# KiCad board 11-10084__speedy_processing_module__B.kicad_pcb (continued)
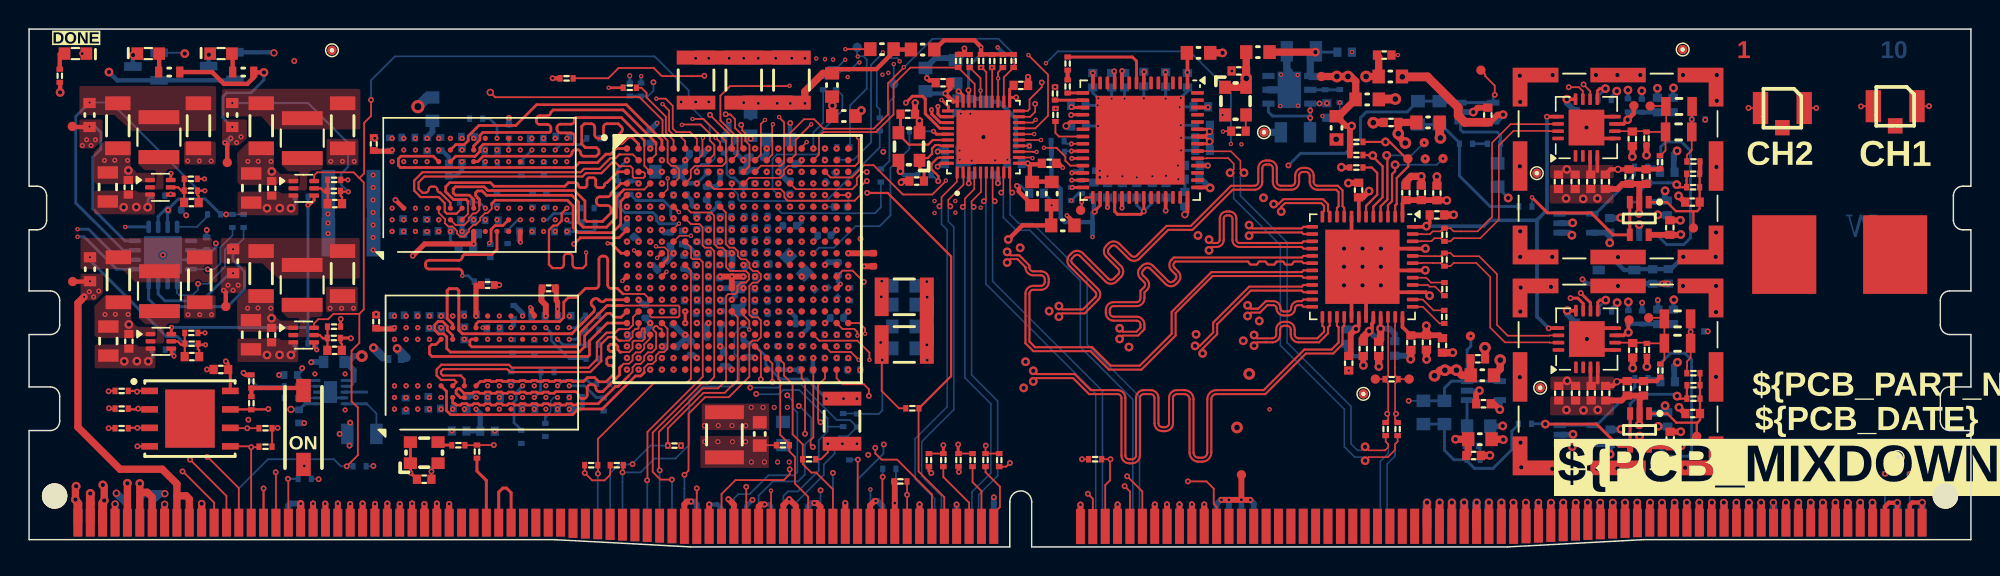
[diagram p0: board, top side]
## Routing (per net, layer and track width the routed paths; a pad name or vN(x,y) marks a point on that pad's centre or on a via; arc(x,y) is an arc through that point) (continued)
/TOP_LEVEL_IO/ZYNQ_PWR/+1v8_Sense: length 16.8
  L1 w0.15: v4(12.11,13.89) 12.1,13.9 11.59,13.9 11.59,13.61 11.68,13.52 C219.2
  L5 w0.2: v4(4.18,19.92) 4.52,19.92 v2(6.6,21.99)
  L10 w0.2: v4(12.11,13.89) 10.75,13.89 10.18,14.46 9.42,14.46 4.18,19.7 v4(4.18,19.92) ; U24.13 6.61,22 v2(6.6,21.99)
/TOP_LEVEL_IO/ZYNQ_PWR/+3v3_Sense: length 33.9
  L1 w0.15: v4(21.92,24.41) 21.91,24.42 21.4,24.42 21.4,24.13 21.49,24.04 C223.2
  L5 w0.2: v4(13.95,30.52) 12.4,30.52 6.77,24.89 5.25,24.89 3.33,22.97 v2(3.33,21.84)
  L10 w0.15: v4(21.92,24.41) 21.43,24.9 21.43,25.67 21.9,26.13 21.9,27.77 19.16,30.52 v4(13.95,30.52)
  L10 w0.2: U24.10 6.18,19.74 4.08,21.84 v2(3.33,21.84)
/TOP_LEVEL_IO/ZYNQ_PWR/VCCPLL: length 16.5
  L7 w0.2: v3(55.16,30.33) 54.53,30.33 54.12,29.93 51.66,29.93 51.66,29.93 51.35,29.93 51.35,29.93 48.76,29.93 48.46,29.63 48.46,28.97 47.88,28.38 47.88,27.42 47.06,26.6 47.06,24.7 47.5,24.26 47.5,23.17 46.92,22.59 v2(46.66,22.59)
  L10 w0.25: 47.33,23.49 46.66,22.82 v2(46.66,22.59)
GND: length 442.9
  L1 w0.12: J2.2 v1(122.73,30.17) ; J1.1 125.82,30.3 v1(125.8,30.28) ; U27.2 27.63,5.3 v1(27.63,5.19) C86.1 ; JEDEC1.72 63.7,2.91 v1(63.69,2.92) ; J2.1 118.09,30.17 v1(118.08,30.18) ; 5.51,9.51 v1(5.48,9.53) ; C6.1 94.1,33.81 ; v6(54.85,7.09) 54.85,6.5 54.38,6.03 R172.2 ; R174.2 v1(72.31,6.03) ; R60.2 R64.2 17.04,8.16 v1(17.06,8.19) ; C242.1 v2(56.05,34.22) ; v1(63.85,5.16) 63.83,5.19 R122.2 ; IC1.E19 v2(56.26,24.19) ; 130,3.05 v8(130.01,3.05) ; J1.2 v1(130.48,30.3) ; R173.2 50.2,6.99 ; C85.1 v1(12.21,12.2)
  L1 w0.15: R77.1 v4(12.08,14.71) ; R81.1 v4(21.89,25.23) ; R58.2 5.51,9.51 ; U15.4 v1(7.44,6.92) ; R91.1 v4(12.04,25.3) ; R66.1 v1(5.46,8.16)
  L1 w0.2: v1(21.4,15.66) 21.39,15.65 R87.1 ; JEDEC1.132 119.8,3.03 v8(119.78,3.05)
  L1 w0.25: 93.32,17.51 U9.39 95.91,17.51 95.99,17.42 96.03,17.42 v3(96.18,17.27) ; U3.5 107.7,28.08 ; 41.05,18.59 v2(40.74,18.28) ; 92.82,20.51 U9.45 95.89,20.51 v3(95.89,20.51) ; v3(95.88,19.02) 95.87,19.01 U9.42 91.82,19.01 U9.31 ; U3.8 107.7,29.58 ; U9.29 90.82,18.51 ; U11.J8 v2(31.15,15.07) ; U9.8 90.82,20.01 ; U7.5 107.73,13.54 ; U7.8 107.73,15.04
  L1 w0.3: R32.1 90.14,26.08 v3(90.12,26.1) ; v8(130.01,3.05) 129.33,3.05 129.15,2.87 JEDEC1.143 ; v2(71.27,22.79) 71.79,22.27 ; C126.1 62.1,32.08 61.81,32.08 v1(61.66,32.23) ; v2(33.75,20.94) 33.73,20.96 U18.M1 ; R113.1 63.8,33.85 ; JEDEC1.142 v8(128.3,3.04) 127.71,3.04 127.45,2.77 JEDEC1.141 ; v2(70.99,26.07) 70.68,26.37 C245.1 ; 25.72,23.29 v1(25.16,23.85) ; v1(67.84,24.82) 67.97,24.7 67.97,24.44 68.88,23.53 ; v1(64.23,34.27) 64.23,33.9 63.84,33.9 R114.1 ; JEDEC1.144 130,3.05 ; 36.43,32.22 v1(35.95,32.22)
  L1 w0.4: 109.71,10.4 109.37,10.07 C37.2 ; C252.1 59.98,25.15 v9(59.89,25.06) ; JEDEC1.4 5.9,2.95 v8(5.91,2.95) ; v1(53.93,3.02) 54.09,3.02 54.35,2.76 JEDEC1.61 ; v1(80.7,2.92) 80.7,2.68 80.71,2.68 80.7,2.67 JEDEC1.86 ; v3(113.43,7.92) C30.1 ; C18.2 109.07,24.61 109.43,24.96 C3.1 C5.1 110.58,24.96 U1.2 110.58,22.96 v3(110.55,22.93) ; 35.18,17.78 35.18,16.93 35.48,16.63 35.48,15.89 35.49,15.89 ; v1(78.14,2.92) 78.15,2.91 JEDEC1.83 ; C175.1 v2(57.35,19.29) ; v2(47.46,18.59) v2(49.06,18.59) ; v1(79.85,2.92) 79.85,2.92 JEDEC1.85 ; JEDEC1.54 48.4,2.9 48.3,3 48.3,3.01 v1(48.03,3.28) ; v1(45.47,3.12) 45.19,3.12 45,2.93 JEDEC1.50 ; v3(113.4,22.46) C14.1 ; v1(58.14,3.15) 58.06,3.15 57.75,2.85 JEDEC1.65 ; C50.1 90.62,25.03 v3(90.6,25.01) ; v1(50.51,2.92) 50.25,2.92 50.1,2.77 JEDEC1.56 ; C4.1 v3(110.1,26.83) ; v3(99.18,29.89) 99.48,30.19 C208.1 ; v3(110.58,8.39) 110.6,8.42 U5.2 110.6,10.14 C24.1 C22.1 ; R170.2 59.45,4.44 v1(59.45,3.02) JEDEC1.67 ; v3(113.28,24.13) 113.71,23.71 ; C46.1 91.62,12.49 v3(91.63,12.48) ; v1(74.75,2.92) 74.75,2.92 JEDEC1.79 ; JEDEC1.52 46.7,2.91 v1(46.71,2.92) ; v3(113.3,9.6) 113.73,9.17 ; JEDEC1.8 9.3,2.92 v8(9.31,2.93) ; JEDEC1.84 79,2.92 v1(79,2.92) ; JEDEC1.63 v1(56.05,3.02) ; v9(60.85,30.53) 60.84,30.52 60.84,29.93 ; JEDEC1.69 v1(61.15,2.92) ; JEDEC1.59 52.65,2.82 v1(52.2,3.27) 51.8,2.87 JEDEC1.58 ; C233.1 68.61,32.31 ; v1(77.31,2.92) 77.3,2.91 JEDEC1.82 ; C23.1 v3(110.13,12.29) ; v1(72.2,2.91) 72.2,2.9 JEDEC1.76 ; C209.1 99.38,10.52 v3(99.6,10.74) ; R2.1 v3(111.08,26.93) ; R14.1 v3(111.1,12.39) ; IC1.N10 v2(48.26,18.59)
  L1 w0.406: JEDEC1.27 v1(25.45,2.96) ; JEDEC1.29 v1(27.15,2.96) ; JEDEC1.31 v1(28.85,2.96) ; JEDEC1.23 v1(22.05,2.96) ; JEDEC1.24 22.9,2.98 v1(22.9,2.98) ; v1(21.2,2.98) 21.2,2.98 JEDEC1.22 ; JEDEC1.21 20.35,2.96 v1(20.33,2.98) ; JEDEC1.30 28,2.98 v1(28,2.98) ; JEDEC1.20 19.5,2.98 v1(19.5,2.98) ; JEDEC1.28 26.3,2.98 v1(26.3,2.98) ; v1(24.6,2.98) 24.6,2.98 JEDEC1.26 ; JEDEC1.25 v1(23.75,2.96)
  L1 w0.5: JEDEC1.130 118.1,3.05 v8(118.11,3.05) ; C40.1 97.76,13.35 v3(97.77,13.36) ; JEDEC1.131 118.95,3.05 v8(118.94,3.05) ; v8(113.84,3.05) 113.85,3.04 JEDEC1.125 ; JEDEC1.11 v8(11.85,2.98) ; JEDEC1.114 104.5,3.04 v8(104.52,3.05) ; v9(59.83,25.82) 59.84,25.83 59.84,26.73 ; JEDEC1.135 122.35,3.05 v8(122.35,3.05) ; JEDEC1.129 117.25,3.04 v8(117.24,3.05) ; JEDEC1.115 105.35,3.05 v8(105.35,3.05) ; C12.1 92.33,29.18 v5(92.31,29.16) ; v3(94.87,12.9) 94.89,12.92 C47.1 ; C27.1 100.31,6.28 v3(100.32,6.29) ; JEDEC1.140 126.6,3.04 v8(126.59,3.05) ; JEDEC1.121 110.45,3.04 v8(110.43,3.05) ; v8(109.6,3.05) 109.6,3.05 JEDEC1.120 ; JEDEC1.118 107.9,3.05 v8(107.89,3.05) ; C31.1 99.99,13.68 v5(99.98,13.69) ; JEDEC1.137 124.05,3.05 v8(124.05,3.05) ; v9(61.14,29.29) 61.14,28.43 ; JEDEC1.117 107.05,3.03 v8(107.03,3.05) ; v8(102.79,3.05) 102.8,3.04 JEDEC1.112 ; C51.1 92.68,12.41 v3(92.69,12.4) ; v8(108.76,3.05) 108.75,3.05 JEDEC1.119 ; JEDEC1.19 v1(18.65,2.98) ; v8(112.14,3.05) 112.15,3.04 JEDEC1.123 ; JEDEC1.136 123.2,3.04 v8(123.19,3.05) ; JEDEC1.134 121.5,3.04 v8(121.51,3.05) ; JEDEC1.124 v8(113,3.05) ; JEDEC1.139 v8(125.75,3.05) ; JEDEC1.126 114.7,3.05 v8(114.7,3.05) ; JEDEC1.128 116.4,3.03 v8(116.38,3.05) ; v8(111.32,3.05) 111.3,3.03 JEDEC1.122 ; C44.1 v3(95.61,25.47) 94.9,25.47 94.55,25.12 C48.1 ; v8(124.89,3.05) 124.9,3.04 JEDEC1.138 ; C42.1 95.96,12.9 v3(95.97,12.89) ; JEDEC1.116 106.2,3.04 v8(106.22,3.05) ; v8(120.65,3.05) 120.65,1.67 ; JEDEC1.110 101.1,3.04 v8(101.11,3.05) ; C45.1 97.82,22.82 v3(97.83,22.83) ; JEDEC1.113 103.65,3.05 v8(103.65,3.05) ; JEDEC1.127 115.55,3.04 v8(115.57,3.05) ; C43.1 v3(96.68,25.46) ; JEDEC1.111 101.95,3.03 v8(101.93,3.05)
  L1 w0.95: C189.1 C196.1
  L1 w0.96: C202.1 C201.1
  L10 w0.12: v1(10.79,22.79) 10.79,22.83 C253.1 ; 77.14,25.4 77.14,25.41 v2(77.14,25.48) ; 9.3,2.92 v8(9.31,2.93) ; 56.26,23.43 v2(56.26,24.19) ; v2(74.34,30.82) 74.29,30.87 74.34,30.92 ; 19.5,2.98 v1(19.5,2.98) ; 5.9,2.95 v8(5.91,2.95) ; C57.1 89.61,29.5 90.01,29.9 v2(90.01,30.54) ; 79.22,27.26 79.19,27.24 79.14,27.24 v2(79.12,27.26) ; v6(55.85,7.09) 56.12,7.09 R171.2 56.54,7.09 v6(56.85,7.09) ; R169.2 59.53,3.1 v1(59.45,3.02) ; 79.01,30.26 v2(79.01,30.23) ; 12.19,21.77 v1(12.2,21.79) ; 78.89,26.22 v2(78.89,26.22) ; C266.1 18.89,8.52 v1(18.89,8.52) ; v2(78.91,25.28) 78.99,25.28 78.99,25.28
  L10 w0.2: U24.6 9.51,19.74 U24.3 ; C68.1 78.89,26.22 ; v1(67.84,24.82) 68.09,24.82 68.6,24.31 ; C76.1 73.05,31.22 v2(73.43,30.84) ; R41.1 72.06,24.3 R44.1 ; 74.34,30.92 C72.1 ; C71.1 v2(76.55,30.84) ; C79.1 79.22,27.26 ; 77.14,25.4 C213.1 ; C78.1 v2(79.12,28.12) ; C70.1 79.55,31.32 v2(79.09,30.87) ; U26.4 21.1,10.24 U26.11 U26.8 ; 37.03,21.68 38.71,21.68 38.88,21.85 R73.2 ; C67.1 78.99,25.28 ; C75.1 v2(78.05,30.82) ; C81.1 v2(74.06,25.48) ; C254.1 12.19,21.77 ; 100.85,24.72 v3(101.58,23.99) ; R70.1 40.43,25.96 v2(41.06,26.59) ; C80.1 v2(79.09,28.99) ; 73.16,25.04 v1(73.53,25.41) ; C211.1 v2(75.08,25.48) ; C77.1 v2(75.23,30.82) ; C69.1 79.01,30.26 ; v2(88.82,29.62) 88.94,29.5 ; C66.1 79.37,25.27 ; R40.1 v2(73.53,25.86) ; R165.2 42.03,32.34 ; C212.1 v2(78.07,25.51) ; v2(73.4,28.94) C74.2 ; C215.1 v2(73.38,30.36)
  L10 w0.3: C29.1 112.93,16.97 v3(112.95,16.99) ; C174.1 53.53,15.06 v2(53.06,14.59) ; R117.1 60.09,25.56 v9(59.83,25.82) ; 48.65,26.99 v2(49.06,26.59) ; v1(64.23,34.27) 64.23,33.89 63.81,33.47 ; JEDEC1.199 49.25,2.8 v1(49.68,3.23) ; 33.63,21.7 33.63,21.06 v2(33.75,20.94) ; 47.5,14.44 47.5,15.28 ; v1(61.66,32.23) 61.66,32.83 ; C26.1 v1(111.85,16.97) ; C140.1 52.25,29.05 52.27,29.06 v1(52.27,29.14) ; 55.93,15.86 v2(56.26,16.19) ; 110.3,19.1 C83.1 112.76,19.1 v3(113.6,19.94) ; C7.1 112.9,31.53 v3(112.93,31.56) ; 109.06,19.92 109.06,19.51 109.54,19.04 U14.2 ; 55.09,21.42 v2(55.46,21.79) ; JEDEC1.52 46.7,2.91 v1(46.71,2.92) 47.27,2.92 47.55,2.64 JEDEC1.197 ; JEDEC1.11 v8(11.85,2.98) ; U20.2 v3(99.6,10.74) ; v2(53.06,22.59) 53.06,22.35 52.88,22.17 52.68,22.17 ; C95.1 28.83,26.79 28.43,27.19 28.25,27.19 ; C190.1 51.43,12.38 51.62,12.19 v2(52.26,12.19) 52.27,12.17 52.92,12.17 C186.1 ; 63.77,29.78 v2(64.64,29.78) ; C88.1 45.1,20.61 45.35,20.61 45.8,20.17 ; v2(66.52,34.35) 66.52,34.32 66.87,33.97 R112.1 ; v2(45.86,23.39) 45.6,23.39 45.5,23.49 45.5,23.84 C156.1 ; 45.07,20.67 44.93,20.82 ; Q4.2 14.1,32.08 Q3.2 6.05,32.08 v3(5.48,32.65) ; C235.1 65.73,28.37 v3(65.54,28.17) ; C109.1 37.82,9.47 38,9.65 R99.2 ; R18.1 v1(110.78,16.79) ; 45.68,18.57 45.2,19.04 44.98,19.04 ; C52.1 90.44,13.54 90.88,13.11 C41.1 ; v1(50.51,2.92) 50.83,2.92 50.83,2.92 50.95,2.8 JEDEC1.201 ; R6.1 v3(110.75,31.36) ; C10.1 v3(111.83,31.53)
  L10 w0.35: 33.35,16.6 33.89,16.05 v2(33.89,15.87) ; v4(29.73,21.69) 29.73,22.37 C116.1 ; C162.1 47.17,24.77 47.46,25.05 47.46,25.75
  L10 w0.4: v3(106.95,28.83) 106.83,28.96 C8.1 ; C142.1 44.08,20.69 44.08,20.44 44.26,20.26 v2(44.26,20.19) 44.26,20.15 43.8,19.69 ; 42.05,14.56 42.05,14.56 42.66,15.16 v2(42.66,15.39) 42.32,15.72 ; JEDEC1.219 66.25,2.92 66.25,2.92 v1(66.25,3.41) ; 44.24,15.3 44.96,14.59 v2(45.06,14.59) ; v3(106.98,14.29) 106.85,14.42 C25.1 ; JEDEC1.83 78.15,2.91 v1(78.14,2.92) ; C11.1 109.28,22.61 v3(109.3,22.63) ; v1(58.14,3.15) 58.28,3.15 58.6,2.83 JEDEC1.210 ; R72.1 v1(32.95,29.49) ; v2(45.06,14.59) 45.44,14.21 45.44,14.14 ; v2(45.06,14.59) 45.06,14.31 44.51,13.77 ; v3(101.2,8.32) 101.18,8.29 C210.1 ; v1(79,2.92) 79,2.92 JEDEC1.84 ; C32.1 109.3,8.07 v3(109.33,8.09) ; JEDEC1.86 80.7,2.92 v1(80.7,2.92) ; C262.1 47.7,13.54 v2(47.46,13.79) 47.46,14.44 ; v1(19.38,12.69) 19.4,12.72 20.13,12.72 ; v1(45.47,3.12) 45.65,3.12 45.85,2.92 JEDEC1.195 ; v2(46.66,27.39) 46.31,27.04 C165.1 ; U19.2 v3(99.18,29.89) ; C194.1 54.84,19.57 v2(54.66,19.39) ; 112.98,11.27 R22.1 112.98,12.46 v3(113.2,12.69) ; U4.2 105.98,22.26 v3(106,22.28) ; JEDEC1.79 74.75,2.92 v1(74.75,2.92) ; JEDEC1.72 63.7,2.91 v1(63.69,2.92) ; C216.1 v2(76.07,25.41) ; JEDEC1.82 77.3,2.91 v1(77.31,2.92) ; C153.1 49.45,25.89 49.26,26.08 ; C39.1 v3(92.69,12.4) ; 22.05,7.77 v1(21.33,7.77) ; 22.05,7.77 22.05,7.02 v1(22,6.97) ; 22.05,7.77 v1(22.05,8.54) ; JEDEC1.76 72.2,2.9 v1(72.2,2.91) ; C41.1 v3(91.63,12.48) ; v1(53.93,3.02) 53.73,3.02 53.5,2.79 53.5,2.64 JEDEC1.204 ; v3(94.87,12.9) 94.63,13.14 C53.1 ; v2(64.73,26.55) 64.54,26.36 C248.1 v2(63.9,26.63) 63.9,27.25 ; v3(113.18,27.23) 112.95,27 R10.1 112.95,25.81 ; 49.26,26.08 49.26,26.56 49.23,26.59 v2(49.06,26.59) 49.26,26.79 C166.1 ; 49.26,26.08 49.26,25.76 ; 48.3,19.29 48.3,20.14 v2(48.26,20.19) ; C122.1 62.23,33.6 63.49,33.6 ; C232.1 66.96,26.58 C247.1 ; 42.67,28.68 v2(43.12,29.13) ; v2(41.86,20.99) 41.86,21.09 41.57,21.37 ; v3(90.6,25.01) 90.62,25.03 C50.1 ; C13.1 111.88,22.81 v3(111.85,22.83) ; JEDEC1.63 v1(56.05,3.02) ; U2.2 v3(110.58,22.16) ; U6.2 v3(110.6,7.62) ; C147.1 52.07,25.17 v2(51.46,25.79) 51.68,26.01 C160.1 ; v2(49.86,12.99) 49.8,13.04 C263.1 ; 48.68,16.32 49.06,16.7 v2(49.06,16.99) ; JEDEC1.69 v1(61.15,2.92) ; 43,25.67 43.34,25.67 v2(43.46,25.79) ; JEDEC1.85 79.85,2.92 v1(79.85,2.92) ; v3(111.88,8.29) 111.9,8.27 C33.1 ; U8.2 106,7.72 v3(106.03,7.74) ; v2(67.18,26.63) 67.18,26.37
  L10 w0.406: v1(21.2,2.98) 21.2,2.98 JEDEC1.22 ; v1(24.6,2.98) 24.6,2.98 JEDEC1.26 ; v1(26.3,2.98) 26.3,2.98 JEDEC1.28 ; JEDEC1.20 19.5,2.98 ; v1(22.05,2.96) JEDEC1.23 ; v1(27.15,2.96) JEDEC1.29 ; JEDEC1.19 v1(18.65,2.98) 17.93,2.98 17.8,2.85 JEDEC1.162 ; JEDEC1.24 22.9,2.98 v1(22.9,2.98) ; JEDEC1.30 28,2.98 v1(28,2.98) ; v1(23.75,2.96) JEDEC1.25 ; 20.33,1.67 v1(20.33,2.98) ; v1(25.45,2.96) JEDEC1.27 ; v1(28.85,2.96) JEDEC1.31
  L10 w0.5: JEDEC1.121 110.45,3.04 v8(110.43,3.05) ; JEDEC1.149 6.75,2.93 v8(5.99,3.69) 6.27,3.41 ; JEDEC1.116 106.2,3.01 106.22,3.03 ; JEDEC1.131 118.95,3.02 118.94,3.03 ; v8(103.65,3.05) 103.65,3.01 103.65,3.01 JEDEC1.113 ; JEDEC1.129 117.25,2.99 117.24,3 v8(117.24,3.05) ; 107.03,3.03 107.03,3.03 107.05,3.01 JEDEC1.117 ; JEDEC1.4 5.9,2.95 ; JEDEC1.132 119.8,3.03 v8(119.78,3.05) ; v8(101.93,3.05) 101.95,3.03 JEDEC1.111 ; v8(122.35,3.05) 122.35,3.03 122.35,3.02 JEDEC1.135 ; v8(120.65,3.05) 120.65,3 120.65,3 JEDEC1.133 ; v8(111.32,3.05) 111.3,3.03 JEDEC1.122 ; U10.2 U10.7 86.55,32.66 86.37,32.83 C59.1 ; TP28.1 C55.1 ; 8.96,3.66 v8(9.32,3.66) ; 8.96,3.66 7.87,3.66 7.6,3.39 JEDEC1.150 ; 8.96,3.66 8.45,3.15 JEDEC1.151 ; JEDEC1.127 115.55,3.02 115.57,3.03 v8(115.57,3.05) ; JEDEC1.137 124.05,3 124.05,3 v8(124.05,3.05) ; v8(108.76,3.05) 108.75,3.05 JEDEC1.119 ; JEDEC1.112 102.8,3.04 v8(102.79,3.05) ; JEDEC1.125 113.85,3.02 113.84,3.03 v8(113.84,3.05) ; JEDEC1.123 112.15,3.04 v8(112.14,3.05) ; 124.89,3.03 124.9,3.02 JEDEC1.138 ; JEDEC1.115 105.35,3.03 105.35,3.04 v8(105.35,3.05) ; v8(104.52,3.05) 104.5,3.04 JEDEC1.114 ; JEDEC1.134 121.5,3.04 v8(121.51,3.05) ; v8(118.11,3.05) 118.1,3.05 JEDEC1.130 ; v8(113,3.05) JEDEC1.124 ; v8(130.01,3.05) 130,3.05 JEDEC1.144 ; v2(48.26,20.19) 48.24,20.17 47.58,20.17 ; v8(123.19,3.05) 123.2,3.04 JEDEC1.136 ; JEDEC1.140 126.6,3.02 126.59,3.03 ; v8(114.7,3.05) 114.7,3.05 JEDEC1.126 ; JEDEC1.142 v8(128.3,3.04) ; JEDEC1.120 109.6,3.03 109.6,3.04 v8(109.6,3.05) ; JEDEC1.139 125.75,3 125.75,3 125.75,3.03 ; 116.38,1.66 v8(116.38,3.05) ; 107.89,3.03 107.89,3.01 107.9,3.01 JEDEC1.118 ; JEDEC1.8 9.3,2.92
  L10 w0.6: 25.9,13.02 v3(25.28,13.64) ; 101.11,1.37 v8(101.11,3.05)
  L10 w0.7: C158.1 27.33,30.89 v10(26.7,30.27)
  L10 w0.9: C146.1 C152.1
  vias: v1(3.64,33.92) v1(9.19,20.07) v1(17.17,11.82) v1(18.21,33.4) v1(18.89,5.57) v1(32.29,18.01) v1(57.08,12.15) v1(61.65,18.24) v1(61.68,17.17) v1(61.65,13.89) v1(61.68,12.84) v1(68.6,32.32) v1(70.45,31.63) v1(82.6,32.72) v2(31.33,27.29) v2(31.33,22.49) v2(31.49,10.27) v2(33.73,28.09) v2(33.89,9.47) v2(35.33,21.69) v2(35.49,15.87) v2(35.49,9.47) v2(36.93,28.09) v2(36.93,21.69) v2(37.09,15.87) v2(37.09,9.47) v2(41.86,12.99) v2(42.03,32.37) v2(42.66,23.39) v2(43.46,17.79) v2(44.26,12.19) v2(45.86,21.79) v2(45.86,20.19) v2(45.86,18.59) v2(45.86,16.99) v2(45.86,15.39) v2(46.66,20.99) v2(46.66,19.39) v2(46.66,17.79) v2(46.66,16.19) v2(47.46,25.79) v2(47.46,21.79) v2(47.46,16.99) v2(48.26,24.19) v2(48.26,23.39) v2(48.26,22.59) v2(48.26,20.99) v2(49.06,21.79) v2(49.06,20.19) v2(49.86,22.59) v2(49.86,20.99) v2(49.86,19.39) v2(49.86,17.79) v2(49.86,16.19) v2(50.66,21.79) v2(50.66,20.19) v2(50.66,18.59) v2(50.66,16.99) v2(50.66,15.39) v2(51.46,17.79) v2(52.26,20.19) v2(53.86,24.99) v2(53.86,16.99) v2(54.66,27.39) v2(54.66,24.99) v2(55.46,13.79) v2(56.26,18.59) v2(62.18,23.78) v2(62.18,22.95) v2(63.61,23.78) v2(63.61,22.98) v2(63.89,27.25) v2(63.98,29.78) v2(65.35,23.32) v2(66.34,26.58) v2(71.57,23.81) v2(81.96,29.7) v2(85.92,30.31) v2(85.97,32.47) v2(87.12,32.44) v2(87.14,30.33) v2(90.62,12.12) v2(90.85,34.02) v2(94,33.81) v3(6.81,25.88) v3(6.85,15.29) v3(16.66,25.81) v3(16.65,15.72) v3(57.15,30) v3(68.06,20.56) v3(68.3,10.93) v3(68.43,12.73) v3(70.05,16.21) v3(75.53,13.74) v3(80.14,14.61) v3(80.27,21.41) v3(83.38,14.17) v3(84.48,15.53) v3(84.77,24) v3(90.3,20.51) v3(90.3,19.26) v3(90.3,17.98) v3(91.57,20.51) v3(91.57,19.26) v3(91.57,17.98) v3(92.83,20.51) v3(92.83,19.26) v3(92.83,17.98) v3(102.38,32.39) v3(102.4,30.59) v3(102.38,26.17) v3(102.4,21.69) v3(102.4,19.94) v3(102.43,17.83) v3(102.41,16.18) v3(102.38,11.67) v3(102.43,7.17) v3(102.48,5.47) v3(104.51,17.88) v3(104.63,32.44) v3(104.6,19.94) v3(104.6,5.37) v3(105.55,23.96) v3(105.58,9.42) v3(106.73,23.93) v3(106.75,9.39) v3(107.6,32.44) v3(107.7,23.96) v3(107.73,9.42) v3(107.68,5.39) v3(109.08,32.44) v3(109.11,19.92) v3(109.11,17.94) v3(109.08,5.39) v3(110.58,5.44) v3(110.65,32.44) v3(113.58,32.44) v3(113.58,17.94) v3(113.73,5.44) v3(115.83,19.94) v3(115.83,7.19) v3(115.83,5.44) v3(115.9,32.44) v3(115.9,30.67) v3(115.88,26.12) v3(115.85,21.62) v3(115.85,17.94) v3(115.85,16.14) v3(115.85,11.69) v4(5.17,26.57) v4(5.21,15.98) v4(5.88,26.58) v4(5.92,15.99) v4(6.76,26.57) v4(6.8,15.98) v4(10.89,26.53) v4(10.92,15.97) v4(11.69,26.53) v4(11.72,15.97) v4(12.5,26.53) v4(12.53,15.97) v4(15.02,26.5) v4(15.01,16.41) v4(15.73,26.51) v4(15.72,16.42) v4(16.61,26.5) v4(16.6,16.41) v4(19.63,11.89) v4(20.53,22.89) v4(20.53,22.27) v4(20.53,21.54) v4(20.72,26.51) v4(20.67,16.41) v4(21.52,26.51) v4(21.47,16.41) v4(21.7,11.89) v4(21.7,9.42) v4(22.33,26.51) v4(22.28,16.41) v4(24.93,28.09) v4(25.09,15.87) v4(25.73,28.09) v4(25.73,21.69) v4(25.89,15.87) v4(25.89,11.07) v4(25.89,9.47) v4(27.33,27.29) v4(27.33,21.69) v4(27.49,15.07) v4(27.49,9.47) v4(28.13,27.29) v4(28.13,22.49) v4(28.13,21.69) v4(28.29,15.07) v4(28.29,10.27) v4(28.29,9.47) v4(28.93,28.09) v4(29.03,7.97) v4(29.09,15.87) v4(29.73,28.09) v4(29.73,27.29) v4(29.89,15.87) v4(29.89,15.07) v4(29.89,9.47) v4(35.33,28.09) v5(82.95,8.21) v5(83.79,11.89) v6(45.78,33.59) v6(46.4,7.23) v6(46.68,33.59) v6(47.3,7.23) v6(48.08,33.59) v6(48.3,7.23) v6(49.08,33.59) v6(49.2,7.23) v6(49.6,5.83) v6(50.08,33.59) v6(50.5,5.83) v6(51.28,33.59) v6(51.4,5.83) v6(52.2,5.83) v6(52.38,33.59) v6(53.28,33.59) v7(23.73,28.1) v7(23.83,15.99)
+VPGA: length 22.1
  L1 w0.25: U7.3 107.23,11.12 ; U3.4 107.7,25.83 ; U3.3 107.2,25.66 ; U7.4 107.73,11.29
  L1 w0.3: 109.09,25.96 C3.2 C5.2 111.96,25.96 R1.2 ; 109.09,25.96 v8(109.12,25.96) ; 109.09,25.96 108.6,25.96 C18.1 ; C37.1 108.75,11.07 v8(109.04,11.36) 109.08,11.4 C22.2 C24.2 111.76,11.4 R13.2
  L1 w0.5: L4.2 101.03,12.23 v5(101.03,12.84)
  L1 w0.6: L2.2 96.87,28.17 v5(96.92,28.12)
  L7 w0.5: v5(101.03,12.84) 101.03,16.32 ; v5(96.92,28.12) 97.33,28.12 98.93,26.52
  L10 w0.3: 109.8,30.96 109.8,31.56 ; R17.2 v3(109.83,16.84)
  vias: v3(105.6,25.96) v3(105.63,11.42) v3(109.8,31.41)
/TOP_LEVEL_IO/ADC/ADC_PD: length 4.5
  L1 w0.15: U9.6 91.82,23.45 92.58,24.21 92.58,25.71 92.21,26.08 R32.2
/TOP_LEVEL_IO/ADC/ADC_SCLK: length 55.4
  L1 w0.15: v3(93.23,26.92) 93.28,26.87 93.28,23.88 92.82,23.42 U9.4
  L3 w0.15: v3(93.23,26.92) 93.1,26.92 92.53,27.49 91.46,27.49 91.11,27.13 83.8,27.13 v2(83.26,27.68)
  L7 w0.12: v2(83.26,27.68) 81.83,26.26 81.83,22.48 81.48,22.12 57.37,22.12 54.87,24.62 52.51,24.62 52.15,24.99 v2(51.46,24.99)
  L10 w0.12: v1(95.8,27.79) 94.93,26.92 v3(93.23,26.92)
/TOP_LEVEL_IO/ADC/ADC_SDATA: length 69.8
  L1 w0.12: IC1.B15 52.64,26.97 52.64,27.99 v2(53.71,29.05)
  L1 w0.15: v3(93.81,26.27) 93.81,25.83 93.6,25.62 93.6,23.77 93.32,23.49 U9.3
  L3 w0.12: v3(93.81,26.27) 93.81,24.84 92.65,23.68 88.53,23.68 87.31,24.9 82.07,24.9 81.53,25.44 80.43,25.44 80.21,25.66 80.21,31.1 79.88,31.43 72.36,31.43 71.43,32.35 69.43,32.35 68.92,31.85 62.48,31.85 62.16,31.53 59.82,31.53 57.33,29.04 56.13,29.04 54.99,27.9 54.99,26.05 54.99,26.05 54.32,25.38 54.32,24.98 53.98,24.64 52.91,24.64 52.72,24.83 52.72,25.13 52.92,25.32 53.19,25.32 53.39,25.52 53.39,26.73 53.06,27.06 53.06,28.4 v2(53.71,29.05)
  L10 w0.12: v3(93.81,26.27) 96.67,26.27 v1(97.1,26.7)
/TOP_LEVEL_IO/ADC/ADC_~{CSn}: length 69
  L1 w0.15: R25.2 v3(93.15,27.84) 93.44,27.84 94.71,26.57 94.71,26.15 93.92,25.36 93.92,23.57 93.82,23.47 U9.2
  L7 w0.12: v2(49.86,24.19) 50.21,24.54 50.21,25.2 50.46,25.45 50.91,25.45 51.12,25.67 51.12,25.93 51.32,26.12 55.59,26.12 55.98,25.74 55.98,25 57.47,23.5 60.09,23.5 61.21,24.62 63.08,24.62 63.84,25.38 69.53,25.38 70.11,25.96 70.11,26.96 70.4,27.25 70.4,29.11 70.96,29.67 70.96,33.21 72.63,34.88 92.32,34.88 93.15,34.05 v3(93.15,27.84)
/TOP_LEVEL_IO/ADC/ADC_~{RSTn}: length 66.3
  L1 w0.12: IC1.A9 47.46,27.81 v2(47.15,28.12) ; 95.87,26.77 95.9,26.74
  L1 w0.15: 91.99,26.94 92.24,26.94 v3(92.27,26.9) ; 91.99,26.94 92.17,26.94 92.95,26.17 92.95,24.04 92.32,23.41 U9.5 ; 91.99,26.94 R26.2
  L3 w0.12: v2(69.83,33.25) 69.46,33.25 69.26,33.05 66.77,33.05 66.47,33.36 64.38,33.36 64,32.98 61.25,32.98 60.64,32.36 59.46,32.36 59.04,31.94 57.71,31.94 57.35,32.3 v2(56.21,32.3)
  L3 w0.15: v3(92.27,26.9) 91.41,26.9 91.23,26.73 83.51,26.73 v2(82.53,27.7)
  L5 w0.15: v1(95.88,26.7) 95.87,26.71 95.23,26.71 94.13,25.61 92.73,25.61 92.28,26.06 92.28,26.9 v3(92.27,26.9)
  L7 w0.12: v2(47.15,28.12) 47.15,30.24 49.19,32.28 56.19,32.28 v2(56.21,32.3)
  L10 w0.12: v2(82.53,27.7) 82.53,31.24 79.7,34.07 70.65,34.07 v2(69.83,33.25)
/TOP_LEVEL_IO/ADC/CLK+: length 8.8
  L1 w0.107: U9.35 93.82,15.21 93.8,15.19 93.8,12.31 93.8,12.31 93.8,11.8 94.02,11.58 ; 94.02,11.44 93.81,11.23 93.81,9.22 v1(93.87,9.15) 93.81,9.09 93.81,8.78 93.98,8.6 ; TP34.1 94.03,11.54
  L10 w0.107: 93.98,8.6 93.81,8.78 93.81,9.09 v1(93.87,9.15)
/TOP_LEVEL_IO/ADC/CLK-: length 8.7
  L1 w0.107: 93.12,11.45 93.33,11.24 93.33,9.22 v1(93.27,9.15) 93.33,9.09 93.33,8.78 93.16,8.6 ; TP33.1 93.11,11.54 ; 93.12,11.58 93.34,11.8 93.34,12.13 93.33,12.14 93.33,15.19 93.32,15.21 U9.34
  L10 w0.107: v1(93.27,9.15) 93.33,9.09 93.33,8.78 93.16,8.6
/TOP_LEVEL_IO/ADC/IN1+: length 16.2
  L1 w0.107: 97.15,21.91 96.94,21.69 96.39,21.69 96.19,21.49 95.63,21.49 95.62,21.51 U9.47 ; R27.2 97.61,21.91 97.83,21.69 99.48,21.69 100.47,22.69 100.47,27.79 101.74,29.06 104.38,29.06 104.4,29.08 U3.14
/TOP_LEVEL_IO/ADC/IN1-: length 16.3
  L1 w0.107: U9.46 95.62,21.01 95.63,21.02 96.31,21.02 96.51,21.22 96.94,21.22 97.15,21.01 ; U3.15 104.4,28.58 104.38,28.6 101.93,28.6 100.93,27.6 100.93,22.5 99.65,21.22 97.83,21.22 97.61,21.01 R27.1
/TOP_LEVEL_IO/ADC/IN2+: length 14.5
  L1 w0.107: 97.15,20.2 96.93,19.98 96.57,19.98 96.57,19.99 95.63,19.99 95.62,20.01 U9.44 ; R28.2 97.61,20.2 97.83,19.98 99.58,19.98 100.8,18.76 100.8,15.27 101.55,14.52 104.41,14.52 104.43,14.54 U7.14
/TOP_LEVEL_IO/ADC/IN2-: length 14.5
  L1 w0.107: U7.15 104.43,14.04 104.41,14.06 101.35,14.06 100.34,15.08 100.34,18.57 99.38,19.52 97.83,19.52 97.61,19.3 R28.1 ; U9.43 95.62,19.51 95.63,19.53 96.39,19.53 96.4,19.52 96.93,19.52 97.15,19.3
/TOP_LEVEL_IO/ADC/IN3+: length 2.3
  L1 w0.107: U9.41 95.95,18.51 96.28,18.17 R29.2
/TOP_LEVEL_IO/ADC/IN3-: length 2.5
  L1 w0.107: 97.18,17.27 96.56,17.9 96.17,17.9 96.05,18.01 U9.40
/TOP_LEVEL_IO/ADC/IN4+: length 2.5
  L1 w0.107: U9.38 95.71,17.01 96.45,16.26 R30.2
/TOP_LEVEL_IO/ADC/IN4-: length 2.6
  L1 w0.107: U9.37 95.72,16.51 96.86,15.36 R30.1
/TOP_LEVEL_IO/ADC_CLK_EXT+: length 5.4
  L10 w0.107: 93.26,2.51 93.26,5.69 93.8,6.24 93.8,7.06 93.98,7.24 R134.1
/TOP_LEVEL_IO/ADC_CLK_EXT-: length 5.4
  L10 w0.107: 92.79,2.51 92.79,5.88 93.34,6.43 93.34,7.06 93.16,7.24 R135.1
/TOP_LEVEL_IO/CH1_IN: length 27.6
  L1 w0.114: R15.1 113.85,12.43 113.86,12.45 113.86,12.76 114.1,13 C20.2 v1(114.1,14.79) C21.2
  L5 w0.102: v1(114.1,14.79) 114.81,15.5 116.61,15.5 117.34,16.24 117.34,22.74 122.65,28.05 127.25,28.05 v1(128.15,28.95)
/TOP_LEVEL_IO/CH2_IN: length 10.8
  L1 w0.114: 114.18,30.26 v1(114.18,29.39) C1.2 114.18,27.27 113.85,26.94 113.85,26.55
  L5 w0.102: v1(114.18,29.39) 114.76,29.98 116.86,29.98 118.03,28.81 v1(120.4,28.81)
/TOP_LEVEL_IO/CHOPPER_INPUT: length 23.8
  L7 w0.12: v1(52.06,10.42) 52.06,11.79 51.83,12.02 51.83,18.83 52.66,19.65 52.66,20.58 53.06,20.98 v2(53.06,20.99)
  L10 w0.12: JEDEC1.198 48.4,3.32 48.71,3.63 49.48,3.63 50.77,4.92 52.54,4.92 52.76,5.14 52.76,9.25 52.43,9.57 52.43,10.05 v1(52.06,10.42)
/TOP_LEVEL_IO/DC_OUT_CH1: length 57.8
  L1 w0.12: v1(100.65,31.08) 100.65,31.71 100,32.36 100,32.47 TP19.1
  L7 w0.12: v2(54.66,24.19) 57.19,21.65 77.26,21.65 79.3,19.62 82.42,19.62 82.98,20.17 82.98,23.68 85.53,26.23 v1(86.48,26.23)
  L10 w0.2: 96.95,30.54 U19.3 U19.4 100.55,30.98 v1(100.65,31.08) ; v1(86.48,26.23) 87.31,27.06 90.39,27.06 91.43,28.1 91.43,29.5 91.83,29.9 94.63,29.9 C203.1 C204.1
/TOP_LEVEL_IO/DC_OUT_CH2: length 56.7
  L1 w0.12: v1(57.32,18.22) 56.55,18.99 55.86,18.99 IC1.M19 ; TP20.1 v1(99,14.49)
  L5 w0.12: v2(85.19,9.46) 92.4,9.46 93.01,10.06 94.72,10.06 v1(94.74,10.04)
  L7 w0.12: v2(85.19,9.46) 83.36,9.46 82.16,10.65 82.16,14.87 79.27,17.76 57.78,17.76 v1(57.32,18.22)
  L10 w0.12: v1(94.74,10.04) C207.1
  L10 w0.2: U20.3 97.68,11.39 97.2,10.92 C205.1 C207.1 ; U20.3 U20.4 ; U20.3 98.75,13.54 99,13.8 v1(99,14.49)
/TOP_LEVEL_IO/DONE: length 88.1
  L1 w0.12: IC1.R11 49.06,15.94 49.46,15.53 49.46,14.95 v2(49.45,14.94) ; v1(40.75,5.12) 40.81,5.18 40.81,5.75
  L1 w0.3: v3(2.13,31.25) 2.13,31.92 R52.2
  L7 w0.3: v1(40.75,5.12) 39.54,3.92 17.27,3.92 16.76,3.41 15.29,3.41 14.32,4.38 9.85,4.38 8.4,5.82 4.41,5.82 2.97,7.27 2.97,19.62 2.13,20.45 2.13,31.38 v3(2.13,31.25)
  L10 w0.12: v2(49.45,14.94) 49.27,15.12 48.9,15.12 48.43,14.65 48.43,13.26 48.76,12.93 48.76,11.49 48.31,11.03 46.27,11.03 45.33,10.09 45.33,7.02 44.39,6.08 42.95,6.08 41.99,5.12 v1(40.75,5.12) 40.75,4.49 JEDEC1.189
/TOP_LEVEL_IO/ETH_LD0: length 3.8
  L1 w0.12: 66.25,2.32 66.67,2.74 66.67,4.15 65.68,5.14 R121.1